# Altium PCB CL-HC-M-V2.1.PcbDoc (part 14 of 19) (continued)
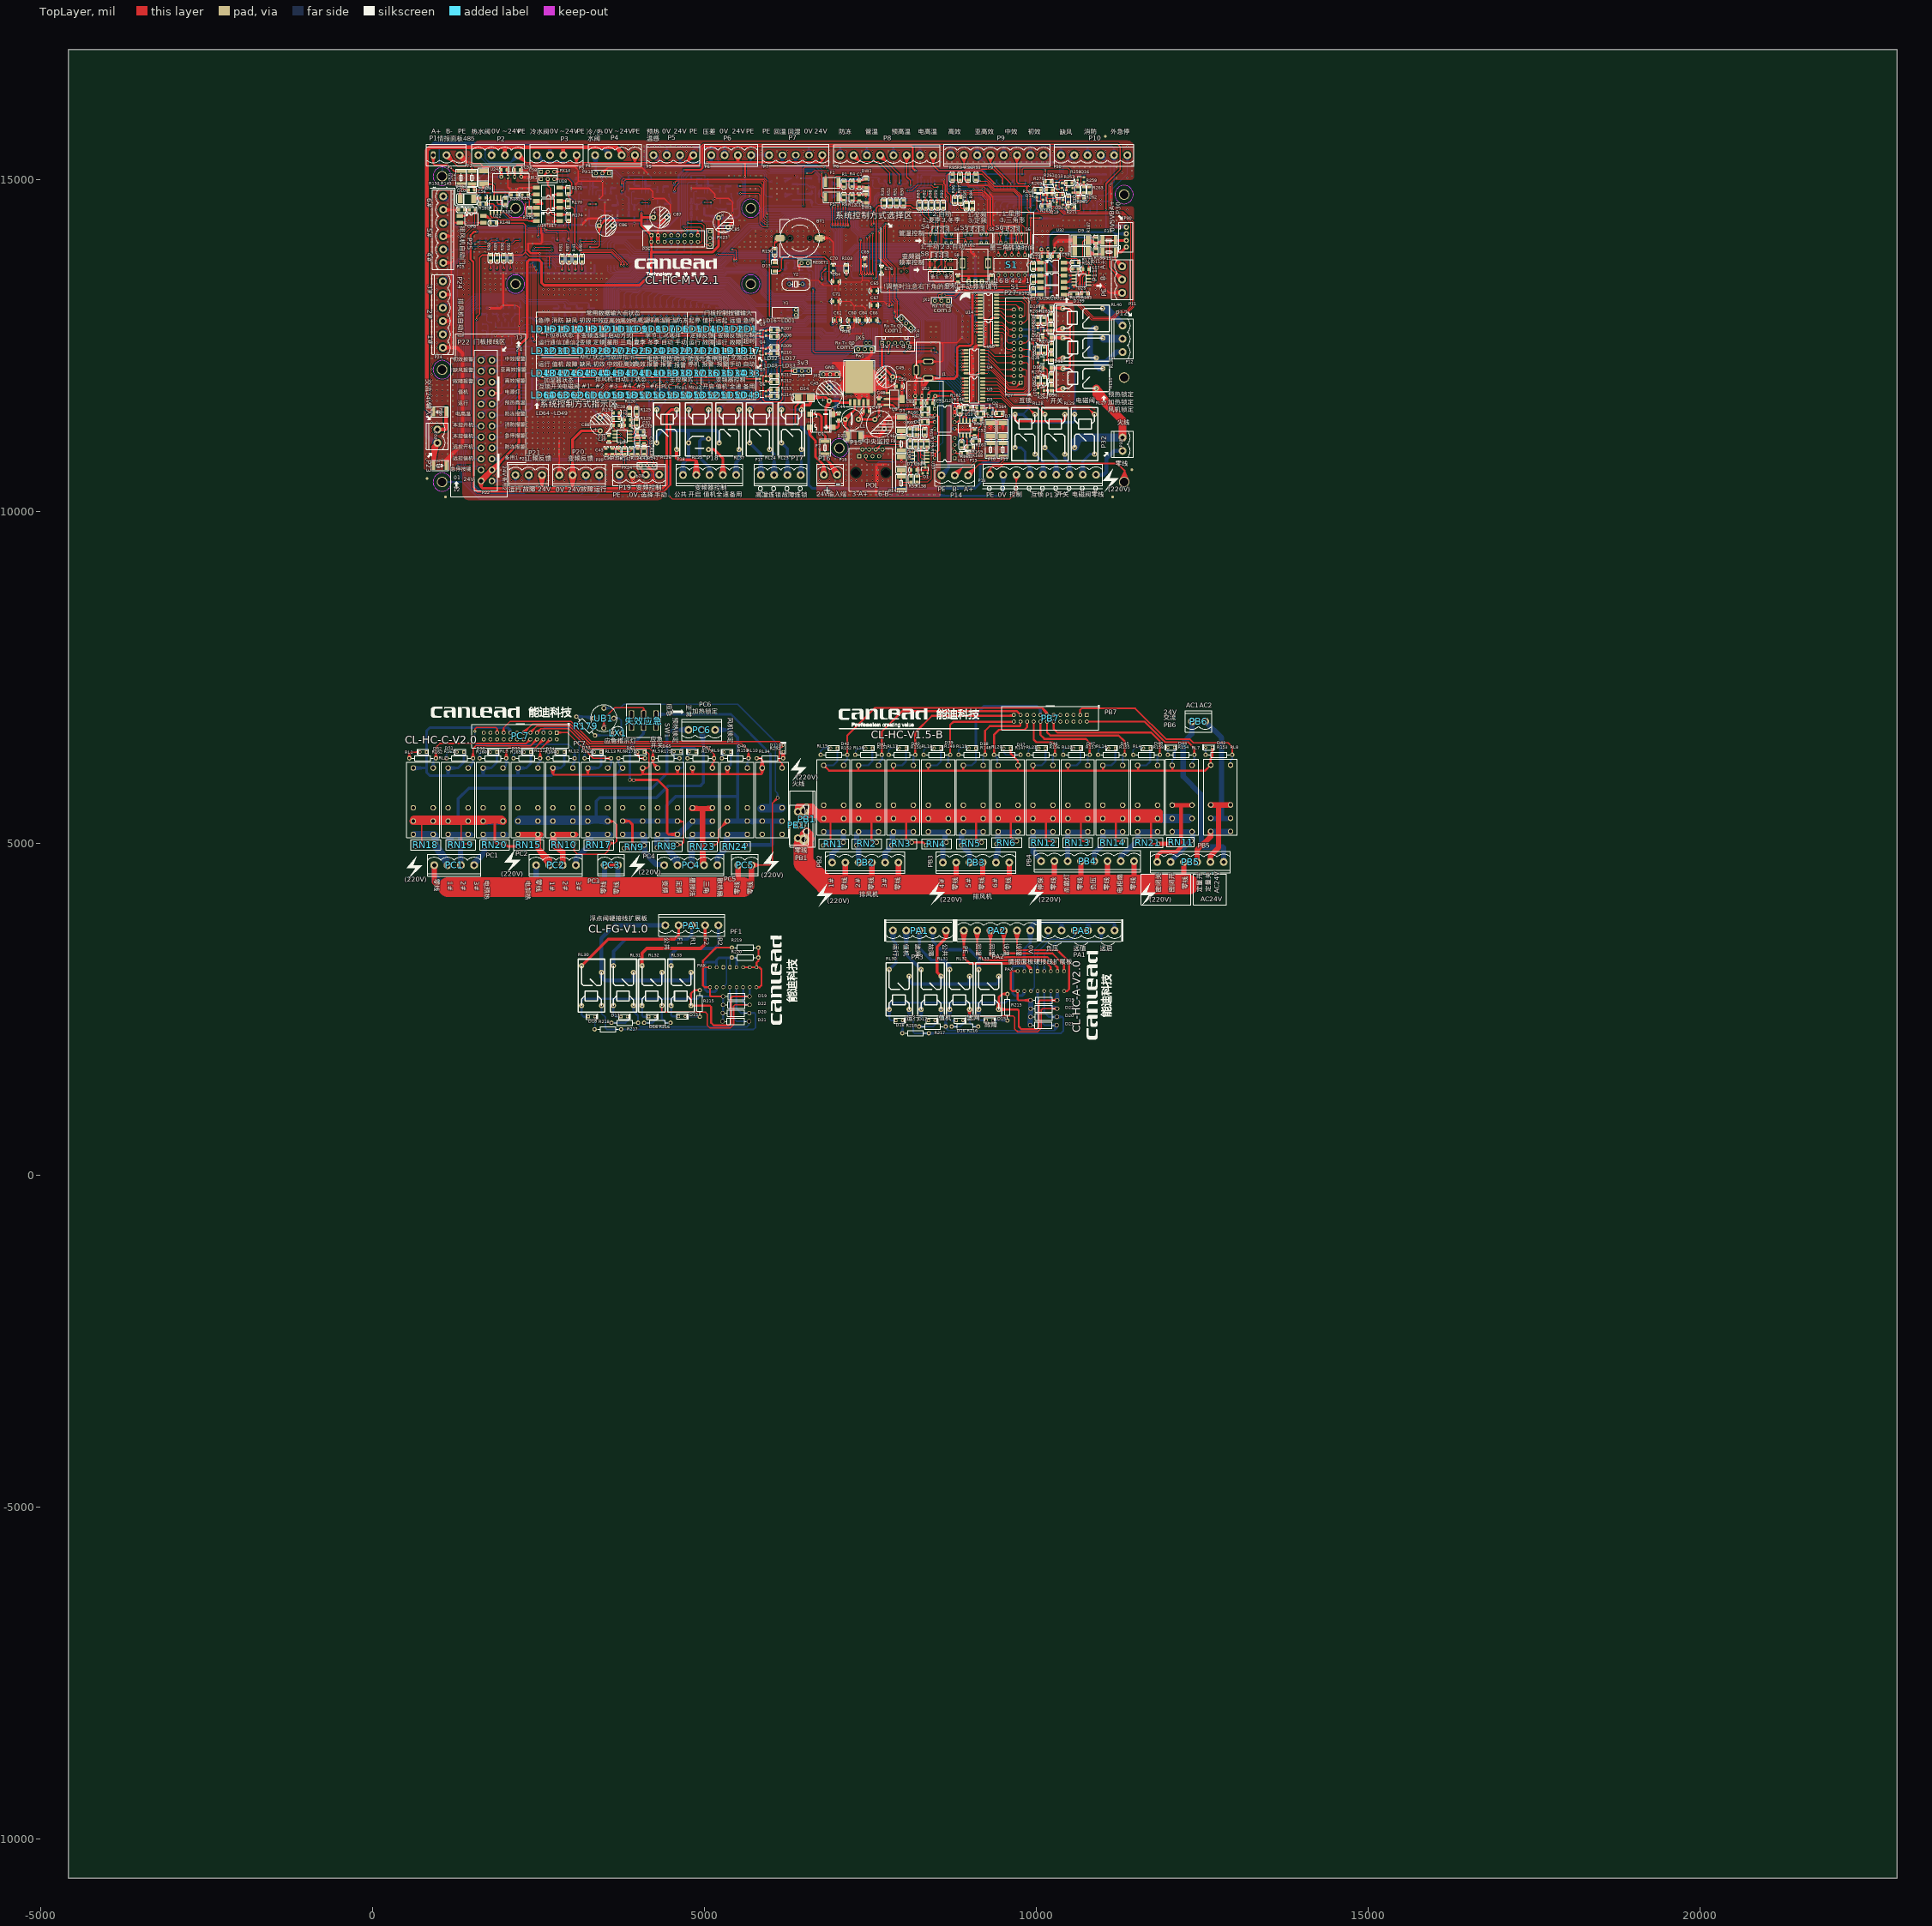
[diagram p0: TopLayer view]
## Nets (pads, with @x,y where several pads share a name; then routed paths per layer and width w, separated by ;. In a path a pad name is that pad's centre, name@x,y a point inside that pad or via, vN(x,y) a via of type N, cw(c..) or ccw(c..) an arc to the next point about the centre after c; other vN are vias at no path point) (continued)
NetC36_1: C36.1 R134.2 R136.1 U7.6 | length 2051.5
  TopLayer w15: C36.1@3612.77,10948.14 R136.1@3704.39,10948.14 ; C36.1@3617.77,10948.14 R136.1@3682.77,10948.14 ; C36.1@3618.97,10935.69 R136.1@3682.77,10948.14 ; C36.1@3618.97,10960.58 R136.1@3682.77,10948.14 ; U7.6@3654.97,11163.14 v1@3733.92,11163.14 ; U7.6@3677.86,11163.14 v1(3735.43,11161.63) ; R136.1@3692.04,10950.06 3704.39,10988.8 ; R136.1@3692.19,10945.44 3704.39,10919.14 ; R136.1@3696.43,10935.99 C36.1@3633.73,10957.7 ; R136.1@3696.43,10960.28 C36.1@3633.73,10938.57 ; R136.1@3700.02,10935.65 C36.1@3633.73,10938.57 ; R136.1@3700.02,10960.62 C36.1@3633.73,10957.7 ; R136.1@3716.6,10945.44 3704.39,10919.14 ; R136.1@3716.74,10950.06 3704.39,10988.8 ; R134.2@3889.45,10945.41 3901.65,10919.44 ; R134.2@3901.65,10948.14 3901.65,10919.44 ; R134.2@3913.85,10945.41 3901.65,10919.44 ; C36.1@3633.73,10938.57 R136.1@3699.39,10948.14 ; C36.1@3633.73,10957.7 R136.1@3699.39,10948.14 ; C36.1@3634.39,10948.14 3698.19,10935.69 C36.1@3634.39,10948.14 ; C36.1@3634.39,10948.14 3698.19,10960.58 C36.1@3634.39,10948.14 ; C36.1@3634.39,10948.14 R136.1@3699.39,10948.14 ; C36.1@3634.39,10948.14 R136.1@3699.39,10948.14 ; 3704.39,10919.14 R136.1@3704.39,10948.14 ; 3704.39,10919.14 3716.83,10906.7 3888.91,10906.7 3901.65,10919.44 ; R136.1@3704.39,10948.14 3704.39,10988.8 ; 3704.39,10988.8 3735.43,11019.84 ; v1@3733.92,11163.14 v1(3735.43,11161.63) ; v1@3733.92,11163.14 3682.97,11163.14 v1(3735.43,11161.63) ; 3735.43,11019.84 v1(3735.43,11066.03) 3735.43,11019.84
  BottomLayer w15: v1(3735.43,11066.03) v1(3735.43,11161.63)
NetC72_1: C72.1 U33.9 Y1.1 | length 1234.6
  BottomLayer w10: Y1.1@6378.31,13039.29 6453.96,13039.29 6484.84,13008.41 U33.9@6841.28,13008.41 ; Y1.1@6380.08,13024.87 6437.83,13039.29 ; Y1.1@6380.08,13053.71 6437.83,13039.29 ; Y1.1@6383.36,13015.29 6437.83,13039.29 ; Y1.1@6383.36,13063.29 6437.83,13039.29 ; 6776.28,13008.41 U33.9@6811.03,13008.41
  BottomLayer w15: C72.1@6246.19,13039.87 6377.73,13039.87 Y1.1@6378.31,13039.29 6303.78,13039.87 ; C72.1@6247.39,13027.43 6311.19,13039.87 C72.1@6247.39,13052.31 ; Y1.1@6374.88,13017.53 6303.78,13039.87 ; Y1.1@6375.22,13061.1 6303.78,13039.87
NetC73_1: C73.1 U33.8 Y1.2 | length 1119.5
  BottomLayer w10: Y1.2@6378.31,12960.29 6456.81,12960.29 6485.24,12988.72 U33.8@6841.28,12988.72 ; Y1.2@6380.08,12945.87 6437.83,12960.29 ; Y1.2@6380.08,12974.71 6437.83,12960.29 ; Y1.2@6383.36,12936.29 6437.83,12960.29 ; Y1.2@6383.36,12984.29 6437.83,12960.29 ; 6776.28,12988.72 U33.8@6811.03,12988.72
  BottomLayer w15: C73.1@6246.19,12944.87 6310.4,12944.87 ; C73.1@6247.4,12932.43 6310.4,12944.87 ; C73.1@6247.4,12957.31 6310.4,12944.87 ; Y1.2@6373.68,12938.76 6325.83,12960.29 ; Y1.2@6373.68,12981.83 6325.83,12960.29 ; Y1.2@6378.31,12960.29 6325.83,12960.29 ; 6310.4,12944.87 6325.83,12960.29
NetC79_1: C79.1 R188.2 U33.23 Y2.1 | length 2102.7
  BottomLayer w10: C79.1@6245.92,13530.86 6260.65,13494.44 ; Y2.1@6247.37,13434.92 6277.39,13477.7 ; Y2.1@6256.45,13429.82 6277.39,13477.7 ; C79.1@6260.65,13533.72 6260.65,13494.44 ; Y2.1@6261.5,13396.85 6341.02,13364.95 ; C79.1@6262.79,13523.88 6310.65,13538.37 ; C79.1@6263,13553.54 6310.65,13538.37 ; Y2.1@6265.83,13406.03 6341.02,13364.95 ; Y2.1@6266.11,13426.68 6277.39,13477.7 ; Y2.1@6271.16,13414.56 6341.02,13364.95 ; C79.1@6275.37,13530.86 6260.65,13494.44 ; Y2.1@6291.41,13434.81 6341.02,13364.95 ; Y2.1@6294.53,13428.34 6277.39,13477.7 ; Y2.1@6299.94,13440.14 6341.02,13364.95 ; Y2.1@6303.76,13432.59 6277.39,13477.7 ; Y2.1@6309.12,13444.47 6341.02,13364.95 ; Y2.1@6312.18,13438.71 6277.39,13477.7 ; R188.2@6337.64,13523.54 6289.89,13538.37 R188.2@6337.64,13553.2 ; R188.2@6339.89,13538.37 6261,13538.37 C79.1@6260.65,13538.72 ; 6776.28,13284 U33.23@6811.03,13284 ; U33.23@6841.28,13284 6581.68,13284 6528.84,13336.84 6369.13,13336.84 Y2.1@6280.44,13425.53 ; 6260.65,13494.44 6277.39,13477.7 ; 6260.65,13494.44 C79.1@6260.65,13538.72 ; C79.1@6260.65,13538.72 6310.65,13538.37 ; 6277.39,13477.7 6277.39,13428.58 Y2.1@6280.44,13425.53 ; 6277.39,13477.7 Y2.1@6280.44,13425.53
NetC81_1: C81.1 R188.1 U33.24 Y2.2 | length 1890.7
  BottomLayer w10: R188.1@6427.03,13553.21 6474.89,13538.72 ; R188.1@6427.24,13523.55 6474.89,13538.72 ; Y2.2@6448.69,13438.71 6483.49,13477.7 ; Y2.2@6457.11,13432.59 6483.49,13477.7 ; Y2.2@6461.5,13396.85 6541.02,13364.95 ; Y2.2@6465.83,13406.03 6541.02,13364.95 ; Y2.2@6466.34,13428.34 6483.49,13477.7 ; Y2.2@6471.16,13414.56 6541.02,13364.95 ; C81.1@6485.5,13530.86 6500.22,13494.44 ; Y2.2@6491.41,13434.81 6541.02,13364.95 ; Y2.2@6494.76,13426.68 6483.49,13477.7 ; C81.1@6497.97,13523.89 6450.22,13538.72 C81.1@6497.97,13553.55 ; Y2.2@6499.94,13440.14 6541.02,13364.95 ; C81.1@6500.22,13533.72 6500.22,13494.44 ; Y2.2@6504.42,13429.82 6483.49,13477.7 ; Y2.2@6509.12,13444.47 6541.02,13364.95 ; Y2.2@6513.5,13434.92 6483.49,13477.7 ; C81.1@6514.95,13530.86 6500.22,13494.44 ; 6776.28,13303.68 U33.24@6811.03,13303.68 ; U33.24@6841.28,13303.68 6602.29,13303.68 Y2.2@6480.44,13425.53 ; 6474.89,13538.72 R188.1@6424.89,13538.37 6425.24,13538.72 C81.1@6500.22,13538.72 6500.22,13494.44 ; Y2.2@6480.44,13425.53 6483.49,13428.58 6483.49,13477.7 ; Y2.2@6480.44,13425.53 6483.49,13477.7 ; 6483.49,13477.7 6500.22,13494.44
NetD1_1: D1.1 F7.2 | length 585.4
  TopLayer w40: D1.1@6590.13,11466.78 6727.59,11466.78 6767.47,11426.9 6767.47,11189.95 6822.38,11135.04 F7.2@6822.38,11058.15
NetD2_K: D2.K F9.2 R58.2 R59.2 U10.6 | length 1871.1
  TopLayer w15: D2.K@7940.75,10616.48 v1(7967.38,10568.36) ; F9.2@7951.38,10521.37 7967.38,10458.04 ; F9.2@7951.51,10526.25 v1(7967.38,10568.36) ; D2.K@7954.96,10621.94 v1(7967.38,10568.36) ; D2.K@7967.38,10623.36 v1(7967.38,10568.36) ; D2.K@7979.79,10621.94 v1(7967.38,10568.36) ; F9.2@7983.24,10526.25 v1(7967.38,10568.36) ; F9.2@7983.37,10521.37 7967.38,10458.04 ; D2.K@7994,10616.48 v1(7967.38,10568.36) ; R58.2@8087.63,10973.86 8099.85,10946.68 ; U10.6@8104.38,10843.36 8081.75,10843.36 ; R59.2@8106.17,10430.92 8042.38,10443.36 ; R59.2@8106.17,10455.8 8042.38,10443.36 ; R59.2@8107.38,10443.36 8042.38,10443.36 ; R58.2@8112.08,10973.86 8099.85,10946.68 ; R59.2@8112.38,10443.36 7982.06,10443.36 7967.38,10458.04 ; 7967.38,10458.04 F9.2@7967.38,10523.36 v1(7967.38,10568.36) ; 8081.75,10843.36 8067.38,10857.73 8067.38,10914.2 8099.85,10946.68 ; 8081.75,10843.36 U10.6@8132.38,10843.36 ; 8099.85,10946.68 R58.2@8099.85,10976.48 8099.85,10946.68 ; U10.6@8132.38,10843.36 v1@8187.76,10843.36 ; U10.6@8132.38,10843.36 v1(8188.53,10842.59) ; v1@8187.76,10843.36 v1(8188.53,10842.59) ; v1@8187.76,10843.36 8160.38,10843.36 v1(8188.53,10842.59)
  BottomLayer w15: v1(7967.38,10568.36) 8023.41,10568.36 8162.38,10707.32 8162.38,10816.43 ; 8162.38,10816.43 v1(8188.53,10842.59) 8162.38,10816.43
NetD3_K: D3.K F8.2 R58.1 R60.2 U10.7 | length 3073.1
  TopLayer w15: D3.K@7939.37,11212.92 7966.46,11137.65 ; F8.2@7950.34,11113.1 7959.51,11181.75 ; F8.2@7950.45,11111.01 7950.4,11182.28 ; F8.2@7950.45,11114.74 7966.46,11181.47 F8.2@7982.47,11114.74 ; F8.2@7950.72,11116.32 7973.42,11181.75 ; F8.2@7951.27,11118.23 7982.53,11182.28 ; D3.K@7954,11216.67 7966.46,11137.65 ; D3.K@7966.46,11217.65 F8.2@7966.46,11112.85 ; 7966.94,11158.84 R60.2@8099.85,11158.84 ; D3.K@7978.92,11216.67 7966.46,11137.65 ; F8.2@7981.66,11118.23 7950.4,11182.28 ; F8.2@7982.21,11116.32 7959.51,11181.75 ; F8.2@7982.48,11111.01 7982.53,11182.28 ; F8.2@7982.58,11113.1 7973.42,11181.75 ; D3.K@7993.55,11212.92 7966.46,11137.65 ; R60.2@8093.65,11146.39 8029.85,11158.84 ; R60.2@8093.65,11171.28 8029.85,11158.84 ; R60.2@8094.85,11158.84 8029.85,11158.84 ; U10.7@8104.38,10793.36 v1(8071.54,10793.36) U10.7@8132.38,10793.36 ; 7950.4,11182.28 F8.2@7966.46,11112.85 ; F8.2@7951.22,11118.09 7966.46,11137.65 ; F8.2@7951.22,11118.09 7966.46,11137.65 ; F8.2@7951.22,11118.09 7966.46,11137.65 ; F8.2@7951.22,11118.09 7966.46,11137.65 ; 7959.51,11181.75 F8.2@7966.46,11112.85 ; F8.2@7966.46,11112.85 7982.53,11182.28 ; F8.2@7966.46,11112.85 7966.46,11137.65 ; F8.2@7966.46,11112.85 7966.46,11137.65 ; F8.2@7966.46,11112.85 7973.42,11181.75 ; F8.2@7966.46,11112.85 7966.46,11137.65 ; F8.2@7966.46,11112.85 7966.46,11137.65 ; 7966.46,11137.65 F8.2@7981.71,11118.09 ; 7966.46,11137.65 F8.2@7981.71,11118.09 ; 7966.46,11137.65 F8.2@7981.71,11118.09 ; 7966.46,11137.65 F8.2@7981.71,11118.09 ; v1(8096.23,11108.36) v1@8099.85,11108.36 ; v1(8096.23,11108.36) R58.1@8099.85,11061.48 v1@8099.85,11108.36 ; v1(8096.23,11108.36) R60.2@8099.85,11158.84 ; v1(8096.23,11108.36) 8112.26,11157.29 v1@8099.85,11108.36 ; v1(8096.23,11108.36) 8112.24,11063.15 v1@8099.85,11108.36 ; v1(8096.23,11108.36) 8087.45,11157.29 v1@8099.85,11108.36 ; v1(8096.23,11108.36) 8087.46,11063.15 v1@8099.85,11108.36 ; v1@8099.85,11108.36 R60.2@8099.85,11158.84
  BottomLayer w15: v1(8071.54,10793.36) 8071.54,11083.66 ; 8071.54,11083.66 v1(8096.23,11108.36) 8071.54,11083.66
NetD4_K: D4.K R61.1 | length 379.4
  TopLayer w20: D4.K@8192.38,11238.69 R61.1@8321.76,11238.69 ; D4.K@8193.7,11223.75 8277.38,11238.69 D4.K@8193.7,11253.64 ; 8236.76,11238.69 R61.1@8316.76,11238.69
NetD5_A: D5.A Q2.1 R164.2@9403.75,11476.82 U13.2 U13.3 | length 1221.5
  TopLayer w15: 8949.03,11426.27 8944.59,11430.71 8944.59,11469.62 8996.13,11521.16 9179.88,11521.16 9181.04,11522.32 ; D5.A@9163.93,11559.96 9181.04,11522.32 ; D5.A@9198.14,11559.96 9181.04,11522.32 ; 9181.04,11522.32 D5.A@9181.04,11563.66 9181.04,11522.32
  TopLayer w20: U13.3@8899.03,11368.36 8899.03,11425.23 ; U13.3@8899.03,11396.36 8899.03,11425.23 ; 8944.59,11430.71 8904.52,11430.71 8899.03,11425.23 ; U13.2@8949.03,11368.36 8949.03,11426.27 U13.2@8949.03,11396.36 ; D5.A@9181.04,11563.66 Q2.1@9301.04,11563.66 9380.87,11563.66 9394.37,11550.16 ; D5.A@9182.36,11548.72 9266.04,11563.66 D5.A@9182.36,11578.6 ; R164.2@9394.37,11476.82 9394.37,11550.16 ; R164.2@9403.75,11481.82 9394.37,11550.16
NetD5_K: D5.K R166.1 | length 952.5
  TopLayer w15: R166.1@9008.65,11563.66 D5.K@9101.04,11563.66 ; R166.1@9009.86,11551.22 9073.65,11563.66 ; R166.1@9009.86,11576.1 9073.65,11563.66 ; D5.K@9096.84,11546.67 9030.57,11572.06 ; D5.K@9096.84,11580.65 9030.57,11555.26 ; D5.K@9098.85,11546.3 9031.04,11563.66 D5.K@9098.85,11581.02 ; D5.K@9100.95,11546.16 9030.57,11555.26 ; D5.K@9100.95,11581.16 9030.57,11572.06 ; 9030.57,11555.26 D5.K@9101.04,11563.66 ; 9030.57,11572.06 D5.K@9101.04,11563.66 ; 9073.65,11563.66 9095.45,11547.08 9073.65,11563.66 ; 9073.65,11563.66 9095.45,11580.24 9073.65,11563.66 ; 9073.65,11563.66 D5.K@9101.04,11563.66 ; 9073.65,11563.66 D5.K@9101.04,11563.66
NetD6_K: D6.K F10.2 R168.1 R169.2 U13.7 | length 1502
  TopLayer w20: R169.2@8960.76,10968.36 v1(8960.76,11095.67) ; R169.2@8960.76,10973.36 8960.76,11053.36 ; 8960.76,11023.17 v1(8960.76,11095.67) ; 8949.03,11107.39 v1(8960.76,11095.67) ; 8949.03,11107.39 U13.7@8949.03,11148.36 v1(8960.76,11095.67) ; 8949.03,11107.39 U13.7@8949.03,11120.36 ; 8949.03,11107.39 U13.7@8949.03,11120.36 ; U13.7@8949.03,11120.36 v1(8960.76,11095.67) ; U13.7@8949.03,11120.36 v1(8960.76,11095.67) ; U13.7@8949.03,11120.36 v1(8960.76,11095.67) ; U13.7@8949.03,11120.36 v1(8960.76,11095.67)
  TopLayer w30: D6.K@9293.18,11131.83 v1(9312.92,11073.51) ; F10.2@9312.92,11027.85 v1(9312.92,11073.51) ; D6.K@9312.92,11135.08 v1(9312.92,11073.51) ; D6.K@9332.65,11131.83 v1(9312.92,11073.51) ; R168.1@8874.29,10963.36 8955.76,10963.36 8879.29,10963.36 R169.2@8960.76,10968.36 R168.1@8874.29,10963.36
  BottomLayer w15: v1(8960.76,11095.67) 9134,11095.67 9156.15,11073.51 v1(9312.92,11073.51) 9255.42,11073.51
NetD7_K: D7.K F11.2 R167.2 R168.2 U13.6 | length 1412
  TopLayer w20: U13.6@8899.03,11120.36 v1(8874.29,11087.58) ; U13.6@8899.03,11148.36 8899.03,11112.33 v1(8874.29,11087.58) ; v1(8874.29,11087.58) R168.2@8874.29,11048.36 v1(8874.29,11087.58) ; v1(8999.24,11058.15) R167.2@9048.56,11058.15 v1(8999.24,11058.15)
  TopLayer w30: D7.K@9478.73,11131.41 v1(9498.46,11074.3) ; F11.2@9498.46,11027.48 v1(9498.46,11074.3) ; D7.K@9498.46,11134.72 v1(9498.46,11074.3) ; D7.K@9518.18,11131.41 v1(9498.46,11074.3)
  BottomLayer w15: v1(8874.29,11087.58) 8874.29,11121.71 8886.46,11133.88 9326.55,11133.88 9386.13,11074.3 v1(9498.46,11074.3)
  BottomLayer w20: v1(8874.29,11087.58) 8900.26,11087.58 8929.69,11058.15 ; 8929.69,11058.15 v1(8999.24,11058.15) 8929.69,11058.15
NetD8_K: D8.K F12.2 R184.1 R185.2 U22.7 | length 2090.5
  TopLayer w20: F12.2@1487.27,14930.83 R184.1@1534.6,14846.7 ; F12.2@1491.12,14923.99 R184.1@1534.6,14851.7 ; F12.2@1499.59,14936.66 R184.1@1534.6,14846.7 ; F12.2@1503.11,14927.61 R184.1@1534.6,14851.7 ; F12.2@1512.6,14940.69 R184.1@1534.6,14846.7 ; F12.2@1515.07,14930.12 R184.1@1534.6,14851.7 ; F12.2@1534.6,14931.7 R184.1@1534.6,14851.7 ; F12.2@1534.6,14941.87 R184.1@1534.6,14846.7 ; D8.K@1647.86,14925.74 1672.38,14866.72 ; D8.K@1696.89,14925.74 1672.38,14866.72 ; D8.K@1704.3,14930.63 1799.3,14930.63 ; D8.K@1707.59,14905.84 1799.3,14930.63 ; D8.K@1707.59,14955.41 1799.3,14930.63 ; U22.7@1829.78,14725.9 1829.78,14802.15 ; U22.7@1829.78,14753.9 1829.78,14802.15 ; R185.2@2091.49,14774.93 2036.47,14802.15 ; R184.1@1534.6,14846.7 1652.35,14846.7 1672.38,14866.72 ; 1672.38,14866.72 D8.K@1672.38,14930.63 1805.91,14930.63 1829.78,14906.76 1829.78,14802.15 ; 1829.78,14802.15 2036.47,14802.15 ; 2036.47,14802.15 2068.68,14769.93 ; 2068.68,14769.93 R185.2@2091.49,14769.93 2068.68,14769.93
NetD9_K: D9.K F13.2 R186.1 R187.2 U23.7 | length 2517.4
  TopLayer w15: D9.K@10770.5,14065.03 10727.59,14091.48 ; D9.K@10770.5,14117.94 10727.59,14091.48 ; D9.K@10776.45,14079.08 10727.59,14091.48 ; D9.K@10776.45,14103.89 10727.59,14091.48 ; D9.K@10778,14091.48 10727.59,14091.48 ; U23.7@10790.81,13510.1 10856.2,13510.1 ; U23.7@10818.81,13510.1 10856.2,13510.1 ; 10727.59,14091.48 10700.41,14064.31 10700.41,13839.31 10870.41,13669.31 10870.41,13524.31 10856.2,13510.1
  TopLayer w25: D9.K@10772.86,14069.58 R187.2@10905.66,14049.99 ; D9.K@10778,14091.48 R187.2@10905.66,14049.99 ; D9.K@10786.73,14112.22 R187.2@10905.66,14049.99 ; D9.K@10787.29,14049.99 10999.18,14049.99 10905.45,14045.98 F13.2@10996.04,14082.54 ; D9.K@10800.25,14049.99 R187.2@10895.45,14045.98 ; D9.K@10801.57,14065.34 R187.2@10895.45,14045.98 ; D9.K@10805.17,14082.65 R187.2@10895.45,14045.98 ; D9.K@10810.85,14099.6 R187.2@10895.45,14045.98 ; R187.2@10887.85,14049.99 F13.2@11004.18,14084.99 ; R186.1@10898.48,13956.75 R186.1@10900.45,13958.72 ; R186.1@10900.45,13958.72 R187.2@10900.45,14045.98 R186.1@10900.45,13958.72
NetD10_K: D10.K F14.2 R182.1 R184.2 U22.6 | length 1956.1
  TopLayer w20: D10.K@1296.43,14743.79 1315.62,14823.08 ; D10.K@1321.34,14709.77 1315.62,14715.5 1315.62,14823.08 ; D10.K@1321.34,14741.7 1315.62,14823.08 ; F14.2@1322.22,14934.09 1344.32,14852.13 ; F14.2@1335.62,14936.57 1344.32,14852.13 ; F14.2@1344.32,14936.57 1344.32,14851.78 ; D10.K@1345.72,14747.26 1315.62,14823.08 ; F14.2@1349.24,14936.87 1344.32,14852.13 ; 1369.05,14851.78 R184.2@1449.6,14846.7 ; R184.2@1449.6,14841.7 1449.6,14806.49 ; v1(1768.77,14801.7) 1454.39,14801.7 1449.6,14806.49 ; U22.6@1879.78,14697.9 v1(1879.78,14660.91) ; U22.6@1879.78,14725.9 v1(1879.78,14660.91) ; 1917.4,14629.18 R182.1@1997.4,14629.18 ; R182.1@2002.4,14629.18 1898.61,14629.18 ; 1315.62,14823.08 1344.32,14851.78 ; 1344.32,14851.78 1444.52,14851.78 R184.2@1449.6,14846.7 ; 1449.6,14806.49 R184.2@1449.6,14846.7 ; 1879.78,14648.01 1898.61,14629.18 ; 1879.78,14648.01 v1(1879.78,14660.91) ; 1879.78,14648.01 v1(1879.78,14660.91) ; 1879.78,14648.01 v1(1879.78,14660.91) ; v1(1879.78,14660.91) 1898.61,14629.18
  BottomLayer w20: v1(1768.77,14801.7) 1864.67,14801.7 1879.78,14786.6 v1(1879.78,14660.91)
NetD11_K: D11.K F15.2 R183.1 R186.2 U23.6 | length 2405.2
  TopLayer w15: D11.K@10751.42,13878.19 10778,13831.72 ; R183.1@10761.9,13279.45 10774.2,13312.71 ; U23.6@10762.81,13460.1 10733.75,13460.1 ; D11.K@10765.59,13883.79 10778,13831.72 ; R183.1@10774.2,13272.25 10774.2,13312.71 ; R183.1@10774.2,13277.25 10774.2,13312.71 ; D11.K@10778,13871.45 10778,13831.72 ; D11.K@10778,13885.25 10778,13831.72 ; R183.1@10786.51,13279.45 10774.2,13312.71 ; D11.K@10790.42,13883.79 10778,13831.72 ; D11.K@10804.58,13878.19 10778,13831.72 ; U23.6@10818.81,13460.1 10875.81,13460.1 ; 10733.75,13460.1 U23.6@10790.81,13460.1 10876.2,13460.1 10898.48,13482.37 10898.48,13711.24 10778,13831.72 ; 10733.75,13460.1 10726.14,13452.5 10726.14,13360.77 10774.2,13312.71
  TopLayer w25: D11.K@10771.97,13895.5 R186.2@10900.41,13871.45 ; D11.K@10778,13871.45 R186.2@10900.41,13871.45 ; D11.K@10778,13917.18 R186.2@10900.41,13871.45 ; D11.K@10787.66,13937.5 R186.2@10900.41,13871.45 ; D11.K@10800.38,13871.45 R186.2@10895.45,13873.72 ; D11.K@10801.34,13890 R186.2@10895.45,13873.72 ; D11.K@10804.55,13907.26 R186.2@10895.45,13873.72 ; D11.K@10809.92,13924.46 R186.2@10895.45,13873.72 ; R186.2@10905.45,13873.72 10965.97,13873.72 ; F15.2@11003.7,13868.15 10965.97,13873.72 ; F15.2@11003.7,13911.45 10965.97,13873.72 ; R186.2@10900.41,13871.45 R186.2@10900.45,13873.72 10965.97,13873.72
NetD13_2: D13.2 R190.1 | length 288.1
  TopLayer w20: D13.2@6045.52,13752.45 6060.46,13836.13 D13.2@6075.4,13752.45 ; D13.2@6060.46,13751.13 R190.1@6060.46,13869.25
NetD15_K: D15.K R215.1 | length 811.5
  BottomLayer w30: D15.K@4710.73,2391.48 4926.84,2391.48 R215.1@4930.73,2387.59 ; D15.K@9346.41,2334.08 9562.52,2334.08 R215.1@9566.41,2330.19 9443.72,2334.08 ; R215.1@9564.61,2312.78 9443.72,2334.08 ; R215.1@9565.72,2347.68 9443.72,2334.08
NetD16_K: D16.K R216.1 | length 718.1
  BottomLayer w30: R216.1@4090.73,2297.59 4220.73,2297.59 4260.73,2337.59 D16.K@4260.73,2387.59 ; R216.1@8726.41,2240.19 8856.41,2240.19 8896.41,2280.19 D16.K@8896.41,2330.19 ; R216.1@8727.66,2222.73 8848.91,2240.19 R216.1@8727.66,2257.64
NetD17_K: D17.K R217.1 | length 870.9
  BottomLayer w30: R217.1@3600.73,2297.59 3810.73,2297.59 3840.73,2327.59 D17.K@3840.73,2388.11 ; R217.1@8236.41,2240.19 8446.41,2240.19 8476.41,2270.19 D17.K@8476.41,2330.71 ; R217.1@8237.66,2222.73 8358.91,2240.19 R217.1@8237.66,2257.64
NetD18_K: D18.K R218.1 | length 829.9
  BottomLayer w20: R218.1@3346.72,2197.59 3350.73,2201.61 D18.K@3350.73,2388.11 ; R218.1@7960.2,2143.88 7986.41,2232.88 ; D18.K@7972.83,2329.6 7986.41,2247.08 D18.K@7999.99,2329.6 ; D18.K@7986.41,2330.71 7986.41,2144.21 R218.1@7982.39,2140.19 7986.41,2232.88 ; R218.1@8004.82,2141.95 7986.41,2232.88
NetD37_K: D37.K R147.1@9763.93,6335.07 | length 332.8
  BottomLayer w20: D37.K@9513.41,6434.7 9513.41,6364.7 9543.04,6335.07 R147.1@9763.93,6335.07
NetD38_K: D38.K R148.1@8830.3,6334.7 | length 242.4
  BottomLayer w20: R148.1@8830.3,6334.7 8830.3,6404.7 8860.3,6434.7 D38.K@8990.3,6434.7
NetD39_K: D39.K R149.1@8304.15,6334.33 | length 242.4
  BottomLayer w20: R149.1@8304.67,6334.7 8304.67,6404.7 8334.67,6434.7 D39.K@8464.67,6434.7
NetD40_K: D40.K R150.1@7778.51,6334.33 | length 242.4
  BottomLayer w20: R150.1@7779.04,6334.7 7779.04,6404.7 7809.04,6434.7 D40.K@7939.04,6434.7
NetD41_K: D41.K R151.1@7273.41,6334.33 | length 226.6
  BottomLayer w25: R151.1@7279.04,6334.7 7279.04,6394.7 7319.04,6434.7 D41.K@7429.04,6434.7
NetD42_K: D42.K R152.1@6753.41,6334.7 | length 226.6
  BottomLayer w25: R152.1@6753.41,6334.7 6753.41,6394.7 6793.41,6434.7 D42.K@6903.41,6434.7
NetD43_K: D43.K R153.1@12553.41,6335.07 | length 109.6
  BottomLayer w25: R153.1@12553.41,6335.07 D43.K@12553.41,6444.7
NetD44_K: D44.K R154.1@11983.41,6334.7 | length 110
  BottomLayer w20: R154.1@11983.41,6334.7 D44.K@11983.41,6444.7
NetD45_K: D45.K R155.1@10932.31,6334.33 | length 242.4
  BottomLayer w20: R155.1@10932.83,6334.7 10932.83,6404.7 10962.83,6434.7 D45.K@11092.83,6434.7
NetD46_K: D46.K R156.1@9881.57,6334.7 | length 242.4
  BottomLayer w20: R156.1@9881.57,6334.7 9881.57,6404.7 9911.57,6434.7 D46.K@10041.57,6434.7
NetD47_K: D47.K R157.1@10407.2,6334.7 | length 242.4
  BottomLayer w20: R157.1@10407.2,6334.7 10407.2,6404.7 10437.2,6434.7 D47.K@10567.2,6434.7
NetD48_K: D48.K R158.1@11463.41,6334.7 | length 242.4
  BottomLayer w20: R158.1@11458.47,6334.7 11458.47,6404.7 11488.47,6434.7 D48.K@11618.47,6434.7
NetD49_K: D49.K R159.1@5264.76,6281.68 | length 229.8
  BottomLayer w30: R159.1@5247.44,6284.18 5264.76,6343.03 ; R159.1@5264.76,6281.68 5264.76,6343.03 ; R159.1@5282.08,6284.18 5264.76,6343.03 ; D49.K@5297.1,6375.37 5264.76,6343.03
NetD50_K: D50.K R160.1@1614.76,6281.68 | length 543.4
  BottomLayer w20: R160.1@1592.57,6285.37 1614.76,6350.23 ; R160.1@1614.76,6281.68 1614.76,6350.23 ; R160.1@1636.96,6285.37 1614.76,6350.23 ; D50.K@1773.79,6361.79 1691.28,6375.37 D50.K@1773.79,6388.95 ; D50.K@1774.9,6375.37 1639.9,6375.37 1614.76,6350.23
NetD51_K: D51.K R161.1@1114.76,6281.68 | length 530.5
  BottomLayer w20: R161.1@1092.62,6285.66 1114.76,6345.23 ; R161.1@1114.76,6281.68 1114.76,6345.23 ; R161.1@1136.91,6285.66 1114.76,6345.23 ; D51.K@1273.79,6361.79 1191.28,6375.37 D51.K@1273.79,6388.95 ; D51.K@1274.9,6375.37 1144.9,6375.37 1114.76,6345.23
NetD52_K: D52.K R162.1@554.76,6281.68 | length 556.4
  TopLayer w20: R162.1@532.53,6285.12 554.76,6355.23 ; R162.1@554.76,6281.68 554.76,6355.23 ; R162.1@577,6285.12 554.76,6355.23 ; D52.K@713.79,6361.79 631.28,6375.37 D52.K@713.79,6388.95 ; D52.K@714.9,6375.37 574.9,6375.37 554.76,6355.23
NetD53_K: D53.K R163.1@3194.76,6281.68 | length 520.5
  BottomLayer w20: R163.1@3172.62,6285.66 3194.76,6345.23 ; R163.1@3194.76,6281.68 3194.76,6345.23 ; R163.1@3216.91,6285.66 3194.76,6345.23 ; D53.K@3343.79,6361.79 3261.28,6375.37 D53.K@3343.79,6388.95 ; D53.K@3344.9,6375.37 3224.9,6375.37 3194.76,6345.23
NetD54_K: D54.K R164.1@2644.76,6281.68 | length 503.2
  BottomLayer w20: R164.1@2622.68,6286 2644.76,6340.23 ; R164.1@2644.76,6281.68 2644.76,6340.23 ; R164.1@2666.84,6286 2644.76,6340.23 ; D54.K@2789.43,6361.79 2706.92,6375.37 D54.K@2789.43,6388.95 ; D54.K@2790.54,6375.37 2679.9,6375.37 2644.76,6340.23
NetD55_K: D55.K R165.1@2124.76,6281.68 | length 504.7
  BottomLayer w20: R165.1@2102.76,6286.41 2124.76,6335.23 ; R165.1@2124.76,6281.68 2124.76,6335.23 ; R165.1@2146.76,6286.41 2124.76,6335.23 ; D55.K@2283.79,6361.79 2201.28,6375.37 D55.K@2283.79,6388.95 ; D55.K@2284.9,6375.37 2164.9,6375.37 2124.76,6335.23
NetD61_K: D61.K R171.1@4104.9,6281.68 | length 452.9
  TopLayer w20: D61.K@3981.37,6373.8 3994.9,6316.17 ; D61.K@3994.9,6375.37 3994.9,6316.17 ; D61.K@4008.43,6373.8 3994.9,6316.17 ; R171.1@4101.55,6259.43 4029.39,6281.68 ; R171.1@4101.55,6303.93 4029.39,6281.68 ; R171.1@4104.9,6281.68 4029.39,6281.68 ; 3994.9,6316.17 4029.39,6281.68
NetD65_K: D65.K R175.1@4625.26,6281.68 | length 480.3
  BottomLayer w20: D65.K@4531.33,6379.26 4544.9,6296.75 D65.K@4558.48,6379.26 ; D65.K@4544.9,6380.37 4544.9,6292 4555.22,6281.68 ; R175.1@4621.64,6259.47 4555.22,6281.68 ; R175.1@4621.64,6303.89 4555.22,6281.68 ; R175.1@4625.26,6281.68 4555.22,6281.68
NetD67_K: D67.K R177.1@4744.9,6281.68 | length 381.9
  BottomLayer w20: R177.1@4722.88,6286.31 4744.9,6336.41 ; R177.1@4744.9,6281.68 4744.9,6336.41 ; D67.K@4761.91,6387.22 4744.9,6336.41 ; R177.1@4766.92,6286.31 4744.9,6336.41 ; D67.K@4784.54,6372.46 4744.9,6336.41 ; 4744.9,6336.41 D67.K@4774.17,6381.29 4774.17,6365.68 4744.9,6336.41
NetD95_A: D95.A D96.K Q17.1 RL35.2 | length 1338.2
  TopLayer w20: D95.A@10099.38,12161.36 10141.38,12161.36 ; D95.A@10102.05,12146.6 10141.38,12161.36 ; D95.A@10102.05,12176.12 10141.38,12161.36 ; 10167.99,11824.97 10167.99,12134.74 10141.38,12161.36
  TopLayer w25: D96.K@10214.35,11821.36 10121.64,11821.36 10167.99,11824.97 Q17.1@10120.65,11821.36 D96.K@10226.39,11821.36 10370.73,11821.36 RL35.2@10404.37,11855 10282.07,11821.36 ; RL35.2@10394.53,11880 10282.07,11821.36 ; RL35.2@10408.71,11828.48 10282.07,11821.36
NetD96_A: D96.A R264.2 | length 168.9
  TopLayer w30: D96.A@10226.39,11901.36 10226.39,11983.36 R264.2@10228.39,11985.36 D96.A@10226.39,11901.36
NetD97_A: D97.A D98.K Q21.1 RL36.2 | length 1338.2
  TopLayer w20: D97.A@10099.38,12621.37 10141.38,12621.37 ; D97.A@10102.05,12606.61 10141.38,12621.37 ; D97.A@10102.05,12636.13 10141.38,12621.37 ; 10167.99,12284.99 10167.99,12594.76 10141.38,12621.37
  TopLayer w25: D98.K@10214.35,12281.37 10121.64,12281.37 10167.99,12284.99 Q21.1@10120.65,12281.37 D98.K@10226.39,12281.37 10370.73,12281.37 RL36.2@10404.37,12315.01 10282.07,12281.37 ; RL36.2@10394.53,12340.02 10282.07,12281.37 ; RL36.2@10408.71,12288.49 10282.07,12281.37
NetD98_A: D98.A R272.2 | length 82
  TopLayer w30: D98.A@10226.39,12361.37 R272.2@10226.39,12443.37
NetD109_A: D109.A D199.K Q22.1 RL40.2 | length 1338.2
  TopLayer w20: D109.A@10095.32,13067.82 10137.32,13067.82 ; D109.A@10098,13053.06 10137.32,13067.82 ; D109.A@10098,13082.58 10137.32,13067.82 ; 10163.94,12731.43 10163.94,13041.2 10137.32,13067.82
  TopLayer w25: D199.K@10210.3,12727.82 10117.58,12727.82 10163.94,12731.43 Q22.1@10116.6,12727.82 D199.K@10222.34,12727.82 10366.67,12727.82 RL40.2@10400.31,12761.46 10278.02,12727.82 ; RL40.2@10390.48,12786.46 10278.02,12727.82 ; RL40.2@10404.65,12734.94 10278.02,12727.82
NetD110_A: D110.A R292.2 | length 1382.2
  TopLayer w20: R292.2@6165.95,6284.42 D110.A@6188.28,6374.18 ; D110.A@6174.81,6380.85 R292.2@6169.02,6296.76 ; D110.A@6175.31,6374.65 R292.2@6207.55,6296.76 ; D110.A@6201.25,6374.65 R292.2@6169.02,6296.76 ; D110.A@6201.75,6380.86 R292.2@6207.55,6296.76 ; R292.2@6210.62,6284.42 D110.A@6188.28,6374.18 ; R292.2@6169.02,6296.76 D110.A@6188.28,6378.82 ; R292.2@6188.29,6295.2 D110.A@6188.28,6378.82 ; R292.2@6188.29,6295.2 6174.7,6377.71 R292.2@6188.28,6295.2 ; R292.2@6188.29,6295.2 6201.85,6377.72 R292.2@6188.28,6295.2 ; R292.2@6188.28,6295.2 D110.A@6188.28,6378.82 ; D110.A@6188.28,6374.18 R292.2@6188.29,6281.68 D110.A@6188.28,6378.82 ; D110.A@6188.28,6378.82 R292.2@6207.55,6296.76
NetD199_A: D199.A R285.2 | length 82
  TopLayer w30: D199.A@10222.34,12807.82 R285.2@10222.34,12889.82
NetDZ1_K: DZ1.K L1.1 Pw1.2 | length 1284.9
  TopLayer w35: L1.1@7100.62,11386.15 7122.38,11280.09 ; L1.1@7108,11404.84 7235.99,11501.97 L1.1@7138.86,11373.98 ; L1.1@7144.13,11386.15 7122.38,11280.09 ; DZ1.K@7153.77,11134.27 7153.77,11248.69 ; DZ1.K@7153.77,11166.2 7153.77,11248.69 ; Pw1.2@7264.81,11614.69 7264.81,11530.79 ; Pw1.2@7264.81,11642.84 7264.81,11530.79 ; 7122.38,11280.09 7153.77,11248.69 ; 7122.38,11280.09 L1.1@7122.38,11388.36 7264.81,11530.79
NetF1_2: F1.2 R1.2 | length 758.1
  TopLayer w20: F1.2@7003.99,14890.04 R1.2@7102.76,14890.04 ; F1.2@7009.71,14943.69 R1.2@7102.76,14890.04 ; F1.2@7017.25,14955.04 R1.2@7102.76,14890.04 ; F1.2@7017.76,14890.04 R1.2@7097.76,14890.04 ; F1.2@7025.78,14934.42 R1.2@7097.76,14890.04 ; F1.2@7026.16,14965.34 R1.2@7102.76,14890.04 ; F1.2@7029.99,14945.35 R1.2@7097.76,14890.04 ; F1.2@7039.63,14952.1 R1.2@7097.76,14890.04
NetF2_2: F2.2 R2.2 | length 884.3
  BottomLayer w20: F2.2@6210.93,14776.46 6236.73,14782 ; F2.2@6210.95,14782 R2.2@6321.73,14782 ; F2.2@6211.61,14790.07 6236.73,14782 ; F2.2@6218.98,14801.52 6236.73,14782 ; R2.2@6316.73,14782 6236.73,14782 ; R2.2@6307.72,14782 6207.78,14759.83 R2.2@6307.77,14782 ; R2.2@6307.72,14782 6217.14,14734.31 R2.2@6307.77,14782 ; R2.2@6307.72,14782 F2.2@6211.61,14746.76 R2.2@6307.77,14782
NetF3_2: F3.2 R3.2 | length 542.7
  BottomLayer w20: F3.2@6914.27,14944.75 7021.2,14917.19 ; F3.2@6918.48,14957.71 7021.2,14917.19 ; F3.2@6922.38,14917.19 R3.2@7053.81,14917.19 ; F3.2@6924.25,14970.05 7021.2,14917.19 ; 6968.81,14917.19 R3.2@7048.81,14917.19
NetF4_2: F4.2 R7.2 | length 850.2
  BottomLayer w20: F4.2@6912.38,14773.36 R7.2@7043.81,14773.36 ; F4.2@6916.08,14747.16 R7.2@7017.1,14773.36 ; F4.2@6916.78,14747.37 R7.2@7023.04,14769.21 ; F4.2@6925.55,14721.63 R7.2@7023.04,14769.21 ; F4.2@6926.28,14721.96 R7.2@7017.1,14773.36 ; F4.2@6942.91,14773.36 R7.2@7023.04,14769.21 ; R7.2@7017.1,14773.36 F4.2@6920.36,14734.23 R7.2@7023.04,14769.21